# Allegro board trx_layout.brd (continued)
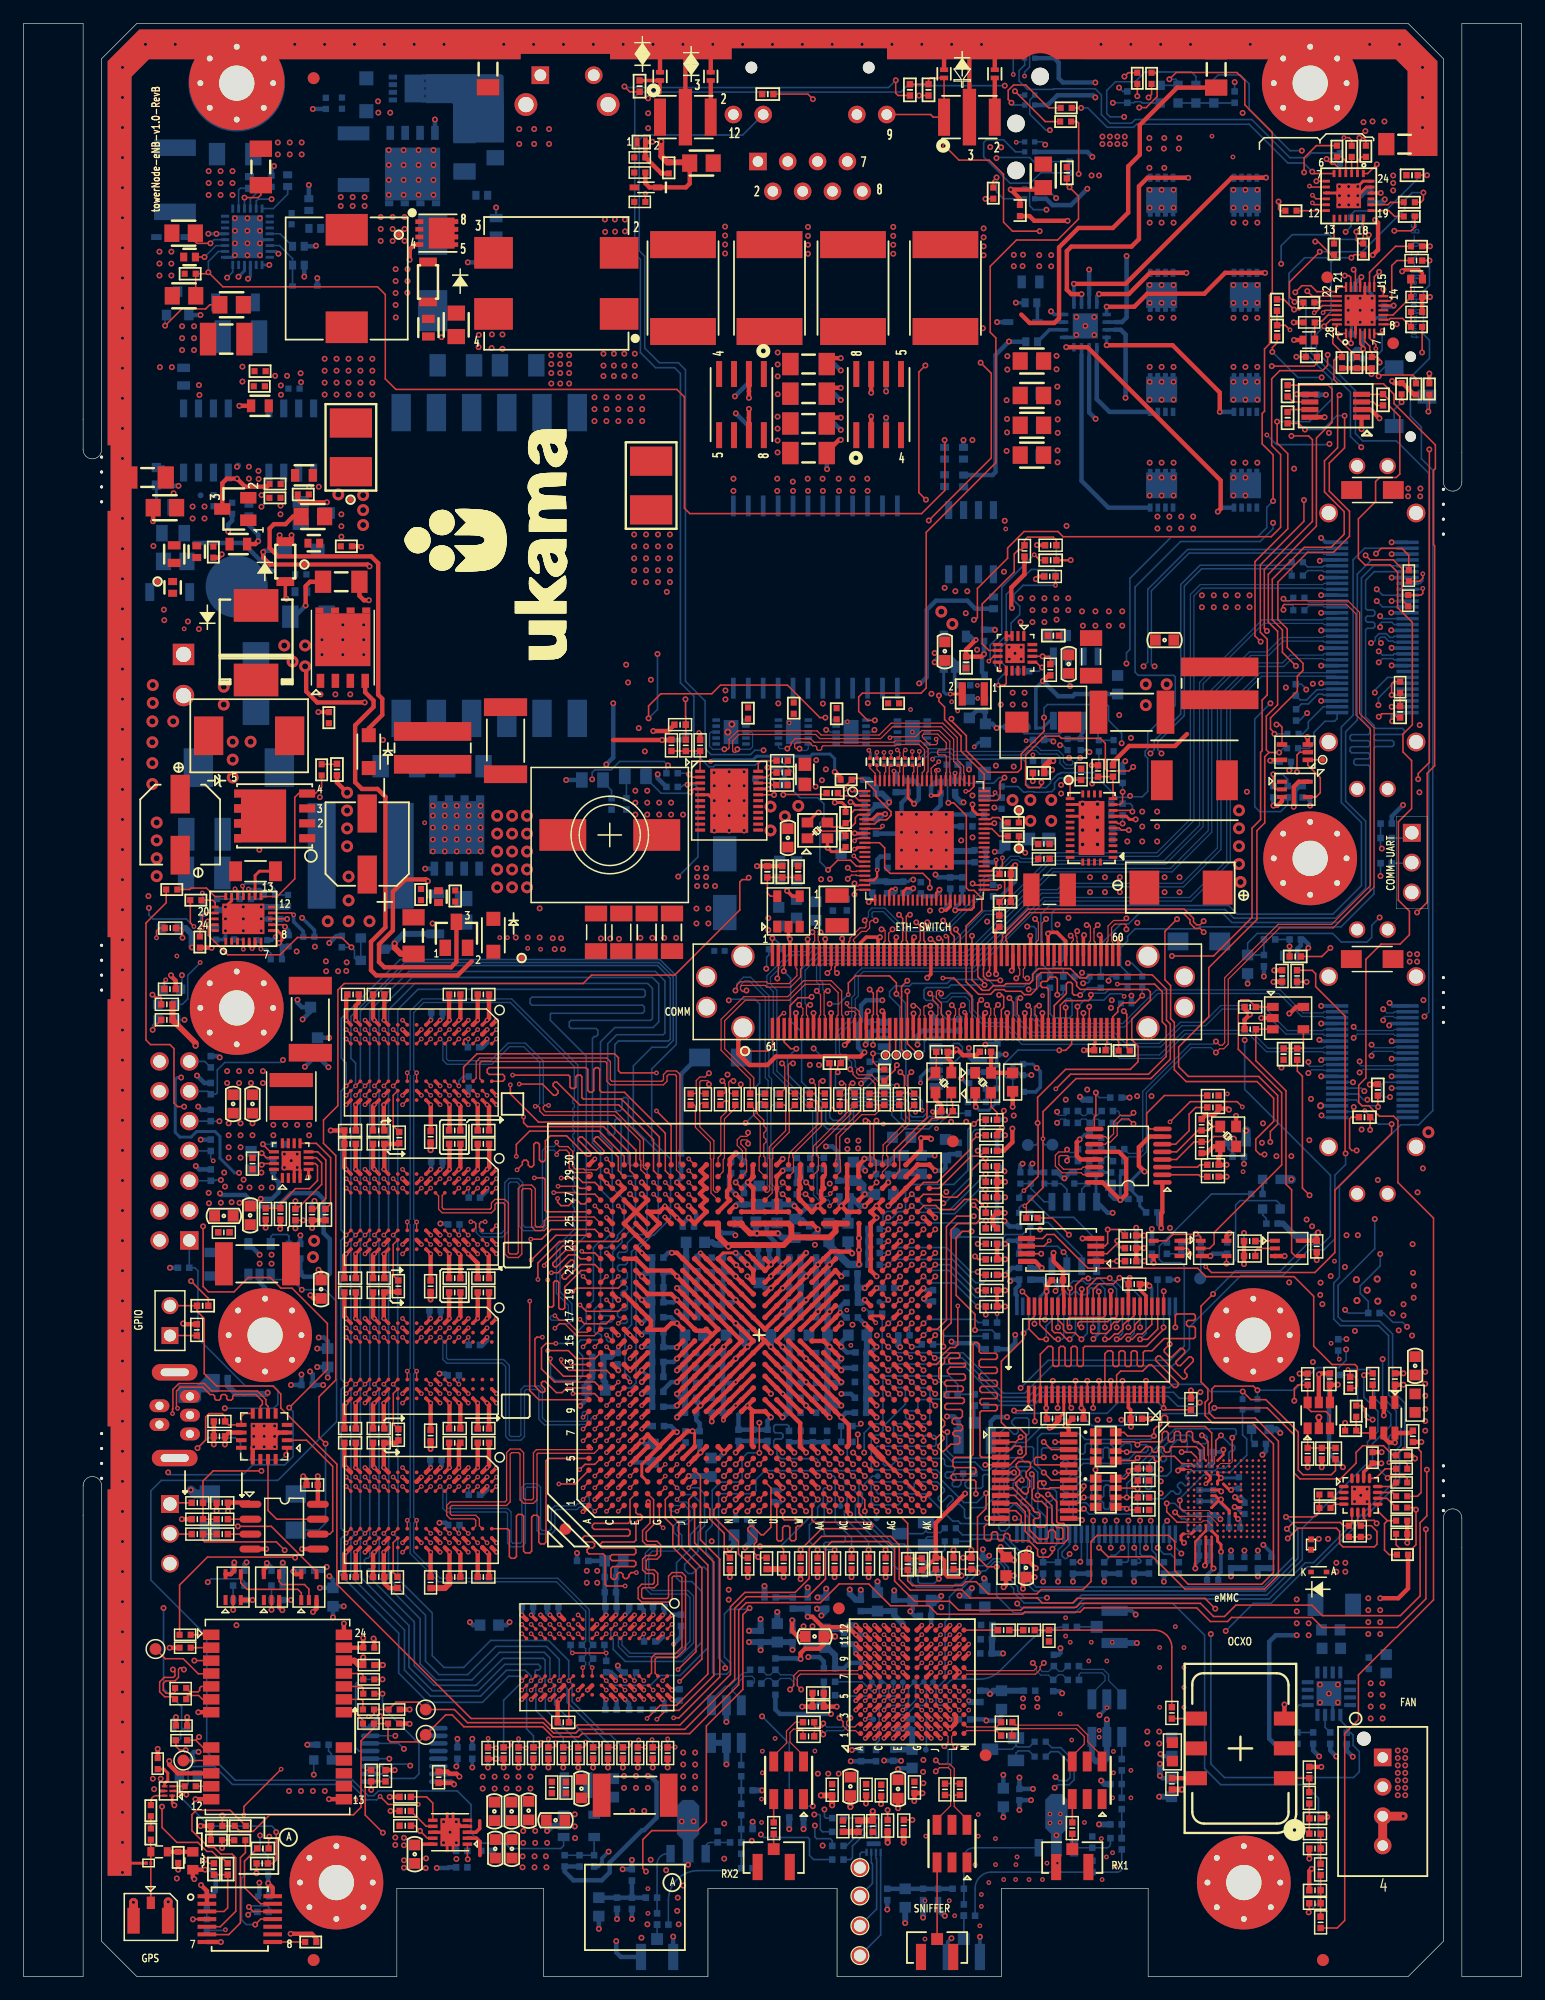
[diagram p0: board, top side]
## Footprints (pads in the part's own frame, mm; a bottom-side part is the same pattern mirrored in y, then rotated) (continued)
IC_ADP1755ACPZ-R7
  rect 1.016x0.356 smd: 1(-1.803,0.965) 2(-1.803,0.315) 3(-1.803,-0.335) 4(-1.803,-0.985) 9(1.803,-0.985) 10(1.803,-0.335) 11(1.803,0.315) 12(1.803,0.965)
  rect 0.356x1.016 smd: 5(-0.975,-1.813) 6(-0.325,-1.813) 7(0.325,-1.813) 8(0.975,-1.813) 13(0.975,1.793) 14(0.325,1.793) 15(-0.325,1.793) 16(-0.975,1.793)
  rect 2.108x2.108 smd: 17(0,0)
IC_JS28F512M29EWH
  rect 1.5x0.3 smd: 1(-9.7,6.75) 2(-9.7,6.25) 3(-9.7,5.75) 4(-9.7,5.25) 5(-9.7,4.75) 6(-9.7,4.25) 7(-9.7,3.75) 8(-9.7,3.25) 9(-9.7,2.75) 10(-9.7,2.25) 11(-9.7,1.75) 12(-9.7,1.25) 13(-9.7,0.75) 14(-9.7,0.25) 15(-9.7,-0.25) 16(-9.7,-0.75) 17(-9.7,-1.25) 18(-9.7,-1.75) 19(-9.7,-2.25) 20(-9.7,-2.75) 21(-9.7,-3.25) 22(-9.7,-3.75) 23(-9.7,-4.25) 24(-9.7,-4.75) 25(-9.7,-5.25) 26(-9.7,-5.75) 27(-9.7,-6.25) 28(-9.7,-6.75) 29(9.7,-6.75) 30(9.7,-6.25) 31(9.7,-5.75) 32(9.7,-5.25) 33(9.7,-4.75) 34(9.7,-4.25) 35(9.7,-3.75) 36(9.7,-3.25) 37(9.7,-2.75) 38(9.7,-2.25) 39(9.7,-1.75) 40(9.7,-1.25) 41(9.7,-0.75) 42(9.7,-0.25) 43(9.7,0.25) 44(9.7,0.75) 45(9.7,1.25) 46(9.7,1.75) 47(9.7,2.25) 48(9.7,2.75) 49(9.7,3.25) 50(9.7,3.75) 51(9.7,4.25) 52(9.7,4.75) 53(9.7,5.25) 54(9.7,5.75) 55(9.7,6.25) 56(9.7,6.75)
IC_TPS51200
  rect 0.813x0.305 smd: 1(-1.473,1.016) 2(-1.473,0.508) 3(-1.473,0) 4(-1.473,-0.508) 5(-1.473,-1.016) 6(1.473,-1.016) 7(1.473,-0.508) 8(1.473,0) 9(1.473,0.508) 10(1.473,1.016)
  custom 1.65x3.4 smd: EP1(0,0)
IND270X220X120
  rect 0.625x2 smd: 1(-0.937,0) 2(0.937,0)
IND-2520
  rect 0.8x2.2 smd: 1(-1,0) 2(1,0)
IND_5P55_7P4X6P8_5P00
  rect 1.85x3.4 smd: 1(-2.775,0) 2(2.775,0)
IND_6P65_10P5X11P8_10P0
  rect 2.38x9 smd: 1(-3.325,0) 2(3.325,0)
IND_B82464G4472M000
  rect 2.7x3.6 smd: 1(-4.15,0) 2(4.15,0)
IND_DO1608C-104MLB
  rect 1.4x3.56 smd: 1(-2.73,0) 2(2.73,0)
IND_VLCF4020
  rect 1.2x3.7 smd: 1(-1.4,0) 2(1.4,0)
INDC0402
  rect 0.533x0.533 smd: 1(-0.475,0) 2(0.475,0)
INDC1608X95M
  rect 1.143x1.092 smd: 1(-0.864,0) 2(0.864,0)
INDP290X270X170
  rect 1.25x2 smd: 1(-1.275,0) 2(1.275,0)
L-1260X1260X600-2N
  rect 2.7x4 smd: 1(0,4) 2(0,-4)
LED-0603-12
  rect 0.8x0.8 smd: 1(0,0.75) 2(0,-0.75)
LED_5977717507F
  rect 0.45x0.45 smd: 1(-5.56,-0.425) 2(-6.41,-0.425) 3(-6.41,0.425) 4(-5.56,0.425) 5(-1.57,-0.425) 6(-2.42,-0.425) 7(-2.42,0.425) 8(-1.57,0.425) 9(2.42,-0.425) 10(1.57,-0.425) 11(1.57,0.425) 12(2.42,0.425) 13(6.41,-0.425) 14(5.56,-0.425) 15(5.56,0.425) 16(6.41,0.425)
LED_LTST-C190
  rect 0.787x0.787 smd: A(-0.75,0) K(0.75,0)
LM73606
  rect 0.75x0.25 smd: 1(-1.825,2.5) 2(-1.825,2) 3(-1.825,1.5) 4(-1.825,1) 5(-1.825,0.5) 6(-1.825,0) 7(-1.825,-0.5) 8(-1.825,-1) 9(-1.825,-1.5) 10(-1.825,-2) 11(-1.825,-2.5) 16(1.825,-2.5) 17(1.825,-2) 18(1.825,-1.5) 19(1.825,-1) 20(1.825,-0.5) 21(1.825,0) 22(1.825,0.5) 23(1.825,1) 24(1.825,1.5) 25(1.825,2) 26(1.825,2.5)
  rect 0.25x0.6 smd: 12(-0.75,-2.9) 13(-0.25,-2.9) 14(0.25,-2.9) 15(0.75,-2.9) 27(0.75,2.9) 28(0.25,2.9) 29(-0.25,2.9) 30(-0.75,2.9)
  rect 2.2x4.6 smd: 31(0,0)
MOLEX_2078430004
  round 1.2 hole 1.2 unplated: (5.35,1.6)
  rect 1.501x1.501 hole 0.899: 1(3.75,0)
  round 1.501 hole 0.899: 2(1.25,0) 3(-1.25,0) 4(-3.75,0)
MOLEX_5000751517
  oval 1.1x1.7 hole 0.7: 1(0,0) 2(0.8,2.6) 3(1.6,0) 4(2.4,2.6) 5(3.2,0)
  oval 1.4x3.9 hole 0.65x2.4: SH1(-2.05,1.3) SH2(5.25,1.3)
MOSFET_TPN3300ANH
  rect 0.7x0.4 smd: 1(-1.575,0.975) 2(-1.575,0.325) 3(-1.575,-0.325) 4(-1.575,-0.975)
  custom 2.5x2.65 smd: 5(0.475,0)
  rect 0.3x0.4 smd: 6(1.575,-0.325) 7(1.575,0.325) 8(1.575,0.975)
MSOP-8
  rect 0.45x1.45 smd: 1(-0.975,-2.2) 2(-0.325,-2.2) 3(0.325,-2.2) 4(0.975,-2.2) 5(0.975,2.2) 6(0.325,2.2) 7(-0.325,2.2) 8(-0.975,2.2)
NEO-1P1X640X480X24N
  rect 0.899x1.4 smd: 1(-7,-5.649) 2(-5.9,-5.649) 3(-4.801,-5.649) 4(-3.701,-5.649) 5(-2.601,-5.649) 6(-1.501,-5.649) 7(-0.401,-5.649) 8(2.601,-5.649) 9(3.701,-5.649) 10(4.801,-5.649) 11(5.9,-5.649) 12(7,-5.649) 13(7,5.649) 14(5.9,5.649) 15(4.801,5.649) 16(3.701,5.649) 17(2.601,5.649) 18(-0.401,5.649) 19(-1.501,5.649) 20(-2.601,5.649) 21(-3.701,5.649) 22(-4.801,5.649) 23(-5.9,5.649) 24(-7,5.649)
OSC-250X200X55
  rect 1x0.85 smd: 1(-0.85,-0.675) 2(0.85,-0.675) 3(0.85,0.675) 4(-0.85,0.675)
QFN40P400X400X60-29N
  round 1 smd: (-2.809,-2.809) (2.809,2.809)
  rect 0.85x0.2 smd: 1(-1.975,1.2) 2(-1.975,0.8) 3(-1.975,0.4) 4(-1.975,0) 5(-1.975,-0.4) 6(-1.975,-0.8) 7(-1.975,-1.2) 15(1.975,-1.2) 16(1.975,-0.8) 17(1.975,-0.4) 18(1.975,0) 19(1.975,0.4) 20(1.975,0.8) 21(1.975,1.2)
  rect 0.2x0.85 smd: 8(-1.2,-1.975) 9(-0.8,-1.975) 10(-0.4,-1.975) 11(0,-1.975) 12(0.4,-1.975) 13(0.8,-1.975) 14(1.2,-1.975) 22(1.2,1.975) 23(0.8,1.975) 24(0.4,1.975) 25(0,1.975) 26(-0.4,1.975) 27(-0.8,1.975) 28(-1.2,1.975)
  rect 2.65x2.65 smd: 29(0,0)
QFN40P1000X1000X85-88N
  rect 0.95x0.2 smd: 1(-5.08,4.2) 2(-5.08,3.8) 3(-5.08,3.4) 4(-5.08,3) 5(-5.08,2.6) 6(-5.08,2.2) 7(-5.08,1.8) 8(-5.08,1.4) 9(-5.08,1) 10(-5.08,0.6) 11(-5.08,0.2) 12(-5.08,-0.2) 13(-5.08,-0.6) 14(-5.08,-1) 15(-5.08,-1.4) 16(-5.08,-1.8) 17(-5.08,-2.2) 18(-5.08,-2.6) 19(-5.08,-3) 20(-5.08,-3.4) 21(-5.08,-3.8) 22(-5.08,-4.2) 45(5.08,-4.2) 46(5.08,-3.8) 47(5.08,-3.4) 48(5.08,-3) 49(5.08,-2.6) 50(5.08,-2.2) 51(5.08,-1.8) 52(5.08,-1.4) 53(5.08,-1) 54(5.08,-0.6) 55(5.08,-0.2) 56(5.08,0.2) 57(5.08,0.6) 58(5.08,1) 59(5.08,1.4) 60(5.08,1.8) 61(5.08,2.2) 62(5.08,2.6) 63(5.08,3) 64(5.08,3.4) 65(5.08,3.8) 66(5.08,4.2)
  rect 0.2x0.95 smd: 23(-4.2,-5.08) 24(-3.8,-5.08) 25(-3.4,-5.08) 26(-3,-5.08) 27(-2.6,-5.08) 28(-2.2,-5.08) 29(-1.8,-5.08) 30(-1.4,-5.08) 31(-1,-5.08) 32(-0.6,-5.08) 33(-0.2,-5.08) 34(0.2,-5.08) 35(0.6,-5.08) 36(1,-5.08) 37(1.4,-5.08) 38(1.8,-5.08) 39(2.2,-5.08) 40(2.6,-5.08) 41(3,-5.08) 42(3.4,-5.08) 43(3.8,-5.08) 44(4.2,-5.08) 67(4.2,5.08) 68(3.8,5.08) 69(3.4,5.08) 70(3,5.08) 71(2.6,5.08) 72(2.2,5.08) 73(1.8,5.08) 74(1.4,5.08) 75(1,5.08) 76(0.6,5.08) 77(0.2,5.08) 78(-0.2,5.08) 79(-0.6,5.08) 80(-1,5.08) 81(-1.4,5.08) 82(-1.8,5.08) 83(-2.2,5.08) 84(-2.6,5.08) 85(-3,5.08) 86(-3.4,5.08) 87(-3.8,5.08) 88(-4.2,5.08)
  rect 5x5 smd: 89(0,0)
QFN50P300X300X100-17N
  oval 0.85x0.3 smd: 1(-1.45,0.75) 2(-1.45,0.25) 3(-1.45,-0.25) 4(-1.45,-0.75) 9(1.45,-0.75) 10(1.45,-0.25) 11(1.45,0.25) 12(1.45,0.75)
  oval 0.3x0.85 smd: 5(-0.75,-1.45) 6(-0.25,-1.45) 7(0.25,-1.45) 8(0.75,-1.45) 13(0.75,1.45) 14(0.25,1.45) 15(-0.25,1.45) 16(-0.75,1.45)
  rect 1.65x1.65 smd: 17(0,0)
QFN50P400X500X80-29N_REL
  rect 0.7x0.25 smd: 1(-1.9,1.75) 2(-1.9,1.25) 3(-1.9,0.75) 4(-1.9,0.25) 5(-1.9,-0.25) 6(-1.9,-0.75) 7(-1.9,-1.25) 8(-1.9,-1.75) 15(1.9,-1.75) 16(1.9,-1.25) 17(1.9,-0.75) 18(1.9,-0.25) 19(1.9,0.25) 20(1.9,0.75) 21(1.9,1.25) 22(1.9,1.75)
  rect 0.25x0.7 smd: 9(-1.25,-2.4) 10(-0.75,-2.4) 11(-0.25,-2.4) 12(0.25,-2.4) 13(0.75,-2.4) 14(1.25,-2.4) 23(1.25,2.4) 24(0.75,2.4) 25(0.25,2.4) 26(-0.25,2.4) 27(-0.75,2.4) 28(-1.25,2.4)
  rect 2.65x3.65 smd: 29(0,0)
QFN50P410X410X80-25N
  rect 0.25x0.6 smd: 1(-1.25,-1.9) 2(-0.75,-1.9) 3(-0.25,-1.9) 4(0.25,-1.9) 5(0.75,-1.9) 6(1.25,-1.9) 13(1.25,1.9) 14(0.75,1.9) 15(0.25,1.9) 16(-0.25,1.9) 17(-0.75,1.9) 18(-1.25,1.9)
  rect 0.6x0.25 smd: 7(1.9,-1.25) 8(1.9,-0.75) 9(1.9,-0.25) 10(1.9,0.25) 11(1.9,0.75) 12(1.9,1.25) 19(-1.9,1.25) 20(-1.9,0.75) 21(-1.9,0.25) 22(-1.9,-0.25) 23(-1.9,-0.75) 24(-1.9,-1.25)
  rect 2.1x2.1 smd: 25(0,0)
QFN50P510X410X80-25N
  rect 0.25x0.6 smd: 1(1.5,1.9) 2(1,1.9) 3(0.5,1.9) 4(0,1.9) 5(-0.5,1.9) 6(-1,1.9) 7(-1.5,1.9) 13(-1.5,-1.9) 14(-1,-1.9) 15(-0.5,-1.9) 16(0,-1.9) 17(0.5,-1.9) 18(1,-1.9) 19(1.5,-1.9)
  rect 0.6x0.25 smd: 8(-2.4,1) 9(-2.4,0.5) 10(-2.4,0) 11(-2.4,-0.5) 12(-2.4,-1) 20(2.4,-1) 21(2.4,-0.5) 22(2.4,0) 23(2.4,0.5) 24(2.4,1)
  rect 3.6x2.6 smd: 25(0,0)
QFN65P400X400X80-17N
  rect 0.719x0.3 smd: 1(-1.815,0.975) 2(-1.815,0.325) 3(-1.815,-0.325) 4(-1.815,-0.975) 9(1.815,-0.975) 10(1.815,-0.325) 11(1.815,0.325) 12(1.815,0.975)
  rect 0.3x0.719 smd: 5(-0.975,-1.815) 6(-0.325,-1.815) 7(0.325,-1.815) 8(0.975,-1.815) 13(0.975,1.815) 14(0.325,1.815) 15(-0.325,1.815) 16(-0.975,1.815)
  rect 2.149x2.149 smd: 17(0,0)
QFN-16
  rect 0.35x0.9 smd: 1(-0.975,-1.95) 2(-0.325,-1.95) 3(0.325,-1.95) 4(0.975,-1.95) 9(0.975,1.95) 10(0.325,1.95) 11(-0.325,1.95) 12(-0.975,1.95)
  rect 0.9x0.35 smd: 5(1.95,-0.975) 6(1.95,-0.325) 7(1.95,0.325) 8(1.95,0.975) 13(-1.95,0.975) 14(-1.95,0.325) 15(-1.95,-0.325) 16(-1.95,-0.975)
  rect 2.3x2.3 smd: 17(0,0)
R0402
  rect 0.533x0.533 smd: 1(-0.475,0) 2(0.475,0)
R1206
  rect 1.1x1.699 smd: 1(-1.699,0) 2(1.699,0)
R2512
  rect 1.519x3.681 smd: 1(-2.855,0) 2(2.855,0)
RC0402
  rect 0.61x0.762 smd: 1(-0.5,0) 2(0.5,0)
RC0603
  rect 0.711x1.092 smd: 1(-0.75,0) 2(0.75,0)
RC0805
  rect 1.295x1.499 smd: 1(-1,0) 2(1,0)
RC1206
  rect 1.397x1.905 smd: 1(-1.55,0) 2(1.55,0)
RC2010
  rect 1.2x2.7 smd: 1(-2.2,0) 2(2.2,0)
RCL1225
  rect 1.6x6.6 smd: 1(-1.4,0) 2(1.4,0)
RMO1490A
  rect 1.2x1.8 smd: 1(-2.54,-3.75) 2(0,-3.75) 3(2.54,-3.75) 4(2.54,3.75) 5(0,3.75) 6(-2.54,3.75)
SC70_5P
  rect 0.4x0.9 smd: 1(-0.65,-1.1) 2(0,-1.1) 3(0.65,-1.1) 4(0.65,1.1) 5(-0.65,1.1)
SIP-2P
  rect 1.448x1.448 hole 1.016: 1(0,0)
  round 1.448 hole 1.016: 2(2.54,0)
SIP-3P
  rect 1.524x1.524 hole 1.143: 1(-2.54,0)
  round 1.524 hole 1.143: 2(0,0) 3(2.54,0)
SM_2_IND_BLM18P_40H
  rect 0.813x0.965 smd: 1(-0.762,0) 2(0.762,0)
SM_3_CON_I-PEX_20279_50H
  rect 0.7x1.067 smd: 1(0,-1.652)
  rect 1.067x2.21 smd: 2(-1.475,-0.127) 3(1.475,-0.127)
SMC0402A
  rect 0.508x0.508 smd: 1(0,0) 2(0,-0.889)
SMC1206
  rect 1.524x1.778 smd: 1(0,0) 2(0,-3.556)
SMD20-A
  round 0.508 smd: 1(0,0)
SMR0402A
  rect 0.508x0.508 smd: 1(0,0) 2(0,-0.889)
SN74AVC1T45DRLR
  rect 0.3x0.46 smd: 1(-0.5,-0.681) 2(0,-0.681) 3(0.5,-0.681) 4(0.5,0.681) 5(0,0.681) 6(-0.5,0.681)
SO8
  oval 0.61x1.88 smd: 1(-1.905,-2.87) 2(-0.635,-2.87) 3(0.635,-2.87) 4(1.905,-2.87) 5(1.905,2.87) 6(0.635,2.87) 7(-0.635,2.87) 8(-1.905,2.87)
SOD123
  rect 1.524x0.762 smd: 1(0,1.7) 2(0,-1.7)
SOD123F_2P8_1P95X2P95_1P1
  rect 1.2x1.2 smd: 1(-1.4,0) 2(1.4,0)
SOD323_2P11_1P8X1P4
  rect 0.59x0.45 smd: 1(-1.055,0) 2(1.055,0)
SOD523F_2P_1_30X0_90_0_70MM
  rect 0.813x0.508 smd: A(1,0) K(-1,0)
SOD882_2P_0_62X1_02_0_50MM
  rect 0.4x0.8 smd: 1(-0.35,0) 2(0.35,0)
SOD2513X110N_A
  rect 0.899x0.5 smd: 1(-1.25,0) 2(1.25,0)
SOD2513X120N_A
  rect 0.899x0.5 smd: 1(-1.25,0) 2(1.25,0)
SODFL1608X70N_B
  rect 0.48x0.399 smd: 1(-0.66,0) 2(0.66,0)
SOIC127P600X175-8N_ON-SEMI
  rect 1.519x0.599 smd: 1(-2.741,1.905) 2(-2.741,0.635) 3(-2.741,-0.635) 4(-2.741,-1.905) 5(2.741,-1.905) 6(2.741,-0.635) 7(2.741,0.635) 8(2.741,1.905)
SOIC_1P27_5P2X4P2_3P65
  rect 1.52x0.61 smd: 1(-2.735,1.905) 2(-2.735,0.635) 3(-2.735,-0.635) 4(-2.735,-1.905) 5(2.735,-1.905) 6(2.735,-0.635) 7(2.735,0.635) 8(2.735,1.905)
SON40P135X170X55-9N
  rect 0.61x0.203 smd: 1(-0.724,0.6) 2(-0.724,0.2) 3(-0.724,-0.2) 4(-0.724,-0.6) 5(0.724,-0.6) 6(0.724,-0.2) 7(0.724,0.2) 8(0.724,0.6)
  rect 0.406x1.194 smd: 9(0,0)
SON50P260X260X65-11N
  rect 0.65x0.3 smd: 1(-1.27,1.016) 2(-1.27,0.508) 3(-1.27,0) 4(-1.27,-0.508) 5(-1.27,-1.016) 6(1.27,-1.016) 7(1.27,-0.508) 8(1.27,0) 9(1.27,0.508) 10(1.27,1.016)
  rect 1.26x2.05 smd: 11(0,0)
SON50P500X600X150-23N
  rect 0.85x0.28 smd: 1(-2.475,2.5) 2(-2.475,2) 3(-2.475,1.5) 4(-2.475,1) 5(-2.475,0.5) 6(-2.475,0) 7(-2.475,-0.5) 8(-2.475,-1) 9(-2.475,-1.5) 10(-2.475,-2) 11(-2.475,-2.5) 12(2.475,-2.5) 13(2.475,-2) 14(2.475,-1.5) 15(2.475,-1) 16(2.475,-0.5) 17(2.475,0) 18(2.475,0.5) 19(2.475,1) 20(2.475,1.5) 21(2.475,2) 22(2.475,2.5)
  rect 3.24x5.48 smd: 23(0,0)
SON127P590X515X110-9N
  rect 1.2x0.65 smd: 1(-2.825,1.905) 2(-2.825,0.635) 3(-2.825,-0.635) 4(-2.825,-1.905)
  rect 0.5x0.7 smd: 5(3.175,-2) 6(3.175,-0.667) 7(3.175,0.666) 8(3.175,2)
  rect 4.5x4.7 smd: 9(0.675,0)
SON127P600X500X163-8N
  rect 2.21x0.508 smd: 1(-2.603,1.905) 2(-2.603,0.635) 3(-2.603,-0.635) 4(-2.603,-1.905) 5(2.603,-1.905) 6(2.603,-0.635) 7(2.603,0.635) 8(2.603,1.905)
SOT23
  rect 0.991x1.397 smd: 1(-0.953,-1.105) 2(0.953,-1.105) 3(0,1.105)
SOT23_95P300X100X110
  rect 0.8x0.9 smd: 1(-0.95,-1) 2(0.95,-1) 3(0,1)
SOT92P240X110-3N
  rect 0.8x0.899 smd: 1(-0.95,-1) 2(0.95,-1) 3(0,1)
SOT-23-5
  rect 0.7x1 smd: 1(-0.95,-1.3) 2(0,-1.3) 3(0.95,-1.3) 4(0.95,1.3) 5(-0.95,1.3)
SOT-23-6
  rect 1.1x0.6 smd: 1(-1.3,0.95) 2(-1.3,0) 3(-1.3,-0.95) 4(1.3,-0.95) 5(1.3,0) 6(1.3,0.95)
SOT-353
  rect 0.35x0.85 smd: 1(-0.65,-1.1) 2(0,-1.1) 3(0.65,-1.1) 4(0.65,1.1) 5(-0.65,1.1)
SOTFL150P409X160-4N
  rect 0.711x1.499 smd: 1(-1.499,-1.92) 3(1.499,-1.92)
  rect 0.508x0.508 smd: 2(0,-1.92)
SW-TLS3305
  rect 1.727x1.473 smd: 1(3.664,-1.537) 2(-3.664,-1.537) 3(3.664,1.537) 4(-3.664,1.537)
SW_CL_SB_12A_01
  round 0.9 hole 0.9 unplated: (-3.4,0) (3.4,0)
  rect 1.2x1.6 smd: 1(-2.5,-1.4) 2(0,1.4) 3(2.5,-1.4)
SW_TL1105JAF160Q
  rect 1.508x1.508 hole 1: 1(-2.275,0)
  round 1.508 hole 1: 2(2.275,0)
  round 1.95 hole 1.3: 3(-3.5,2.5) 4(3.5,2.5)
TCM1-63AX
  rect 0.76x1.7 smd: 1(-1.27,1.6) 2(0,1.6) 3(1.27,1.6) 4(1.27,-1.6) 5(0,-1.6) 6(-1.27,-1.6)
TP-40D
  round 1.524 hole 1.016: 1(0,0)
TP_40C
  round 1.016 smd: 1(0,0)
TQFN-16
  rect 0.85x0.28 smd: 1(-1.475,0.75) 2(-1.475,0.25) 3(-1.475,-0.25) 4(-1.475,-0.75) 9(1.475,-0.75) 10(1.475,-0.25) 11(1.475,0.25) 12(1.475,0.75)
  rect 0.28x0.85 smd: 5(-0.75,-1.475) 6(-0.25,-1.475) 7(0.25,-1.475) 8(0.75,-1.475) 13(0.75,1.475) 14(0.25,1.475) 15(-0.25,1.475) 16(-0.75,1.475)
  rect 1.65x1.65 smd: 17(0,0)
TRANS_BSC030P03NS3GAUMA1
  rect 1.2x0.65 smd: 1(-2.825,1.905) 2(-2.825,0.635) 3(-2.825,-0.635) 4(-2.825,-1.905)
  rect 0.5x0.7 smd: 5(3.175,-1.995) 6(3.175,-0.665) 7(3.175,0.665) 8(3.175,1.995)
  rect 4.5x4.7 smd: 9(0.675,0)
TRANS_FDMC86102L
  rect 1.7x2.37 smd: (0.45,0)
  rect 0.7x0.42 smd: 1(-1.4,0.975) 2(-1.4,0.325) 3(-1.4,-0.325) 4(-1.4,-0.975) 5(1.4,-0.975) 6(1.4,-0.325) 7(1.4,0.325) 8(1.4,0.975)
TSOT-26-6
  rect 1x0.7 smd: 1(-1.1,0.95) 2(-1.1,0) 3(-1.1,-0.95) 4(1.1,-0.95) 5(1.1,0) 6(1.1,0.95)
TSSOP8
  rect 1.45x0.45 smd: 1(-2.95,0.975) 2(-2.95,0.325) 3(-2.95,-0.325) 4(-2.95,-0.975) 5(2.95,-0.975) 6(2.95,-0.325) 7(2.95,0.325) 8(2.95,0.975)
TSSOP16
  oval 0.4x1.6 smd: 1(-2.275,-2.9) 2(-1.625,-2.9) 3(-0.975,-2.9) 4(-0.325,-2.9) 5(0.325,-2.9) 6(0.975,-2.9) 7(1.625,-2.9) 8(2.275,-2.9) 9(2.275,2.9) 10(1.625,2.9) 11(0.975,2.9) 12(0.325,2.9) 13(-0.325,2.9) 14(-0.975,2.9) 15(-1.625,2.9) 16(-2.275,2.9)
TSSOP48
  rect 0.3x1.5 smd: 1(-5.75,-3.75) 2(-5.25,-3.75) 3(-4.75,-3.75) 4(-4.25,-3.75) 5(-3.75,-3.75) 6(-3.25,-3.75) 7(-2.75,-3.75) 8(-2.25,-3.75) 9(-1.75,-3.75) 10(-1.25,-3.75) 11(-0.75,-3.75) 12(-0.25,-3.75) 13(0.25,-3.75) 14(0.75,-3.75) 15(1.25,-3.75) 16(1.75,-3.75) 17(2.25,-3.75) 18(2.75,-3.75) 19(3.25,-3.75) 20(3.75,-3.75) 21(4.25,-3.75) 22(4.75,-3.75) 23(5.25,-3.75) 24(5.75,-3.75) 25(5.75,3.75) 26(5.25,3.75) 27(4.75,3.75) 28(4.25,3.75) 29(3.75,3.75) 30(3.25,3.75) 31(2.75,3.75) 32(2.25,3.75) 33(1.75,3.75) 34(1.25,3.75) 35(0.75,3.75) 36(0.25,3.75) 37(-0.25,3.75) 38(-0.75,3.75) 39(-1.25,3.75) 40(-1.75,3.75) 41(-2.25,3.75) 42(-2.75,3.75) 43(-3.25,3.75) 44(-3.75,3.75) 45(-4.25,3.75) 46(-4.75,3.75) 47(-5.25,3.75) 48(-5.75,3.75)
TSSOP65PX640X120X14N
  rect 1.6x0.35 smd: 1(-2.8,1.95) 2(-2.8,1.3) 3(-2.8,0.65) 4(-2.8,0) 5(-2.8,-0.65) 6(-2.8,-1.3) 7(-2.8,-1.95) 8(2.8,-1.95) 9(2.8,-1.3) 10(2.8,-0.65) 11(2.8,0) 12(2.8,0.65) 13(2.8,1.3) 14(2.8,1.95)
TSSOP-24
  rect 1.5x0.45 smd: 1(-2.9,3.575) 2(-2.9,2.925) 3(-2.9,2.275) 4(-2.9,1.625) 5(-2.9,0.975) 6(-2.9,0.325) 7(-2.9,-0.325) 8(-2.9,-0.975) 9(-2.9,-1.625) 10(-2.9,-2.275) 11(-2.9,-2.925) 12(-2.9,-3.575) 13(2.9,-3.575) 14(2.9,-2.925) 15(2.9,-2.275) 16(2.9,-1.625) 17(2.9,-0.975) 18(2.9,-0.325) 19(2.9,0.325) 20(2.9,0.975) 21(2.9,1.625) 22(2.9,2.275) 23(2.9,2.925) 24(2.9,3.575)
TSSOP_8P_3_10X3_10_1_10MM
  rect 1.15x0.6 smd: 1(-2.175,1.05) 4(-2.175,-1.05) 5(2.175,-1.05) 8(2.175,1.05)
  rect 1.15x0.45 smd: 2(-2.175,0.325) 3(-2.175,-0.325) 6(2.175,-0.325) 7(2.175,0.325)
unnamed
  round 0.254 hole 1.092 unplated: (-1.905,0) (1.905,0)
  round 0.254 hole 0.508 unplated: (-0.635,0) (0.635,0)
unnamed#3
  round 1.016 smd: 1(0,0)
unnamed#2
  round 5.301 smd: 1(0,0)
unnamed#4
  round 1.499 hole 1.499 unplated: (0,0) (4,0) (8,2.06)
VSON127P610X510X105-8N
  rect 1.372x0.71 smd: 1(-2.77,1.905) 2(-2.77,0.635) 3(-2.77,-0.635) 4(-2.77,-1.905)
  custom 4.44x4.52 smd: 5(1.236,0)
  rect 0.59x0.71 smd: 6(3.162,-0.635) 7(3.162,0.635) 8(3.162,1.905)
WFBGA_EMMC153
  round 0.24 smd: A1(-3.25,3.25) A2(-2.75,3.25) A3(-2.25,3.25) A4(-1.75,3.25) A5(-1.25,3.25) A6(-0.75,3.25) A7(-0.25,3.25) A8(0.25,3.25) A9(0.75,3.25) A10(1.25,3.25) A11(1.75,3.25) A12(2.25,3.25) A13(2.75,3.25) A14(3.25,3.25) B1(-3.25,2.75) B2(-2.75,2.75) B3(-2.25,2.75) B4(-1.75,2.75) B5(-1.25,2.75) B6(-0.75,2.75) B7(-0.25,2.75) B8(0.25,2.75) B9(0.75,2.75) B10(1.25,2.75) B11(1.75,2.75) B12(2.25,2.75) B13(2.75,2.75) B14(3.25,2.75) C1(-3.25,2.25) C2(-2.75,2.25) C3(-2.25,2.25) C4(-1.75,2.25) C5(-1.25,2.25) C6(-0.75,2.25) C7(-0.25,2.25) C8(0.25,2.25) C9(0.75,2.25) C10(1.25,2.25) C11(1.75,2.25) C12(2.25,2.25) C13(2.75,2.25) C14(3.25,2.25) D1(-3.25,1.75) D2(-2.75,1.75) D3(-2.25,1.75) D4(-1.75,1.75) D12(2.25,1.75) D13(2.75,1.75) D14(3.25,1.75) E1(-3.25,1.25) E2(-2.75,1.25) E3(-2.25,1.25) E5(-1.25,1.25) E6(-0.75,1.25) E7(-0.25,1.25) E8(0.25,1.25) E9(0.75,1.25) E10(1.25,1.25) E12(2.25,1.25) E13(2.75,1.25) E14(3.25,1.25) F1(-3.25,0.75) F2(-2.75,0.75) F3(-2.25,0.75) F5(-1.25,0.75) F10(1.25,0.75) F12(2.25,0.75) F13(2.75,0.75) F14(3.25,0.75) G1(-3.25,0.25) G2(-2.75,0.25) G3(-2.25,0.25) G5(-1.25,0.25) G10(1.25,0.25) G12(2.25,0.25) G13(2.75,0.25) G14(3.25,0.25) H1(-3.25,-0.25) H2(-2.75,-0.25) H3(-2.25,-0.25) H5(-1.25,-0.25) H10(1.25,-0.25) H12(2.25,-0.25) H13(2.75,-0.25) H14(3.25,-0.25) J1(-3.25,-0.75) J2(-2.75,-0.75) J3(-2.25,-0.75) J5(-1.25,-0.75) J10(1.25,-0.75) J12(2.25,-0.75) J13(2.75,-0.75) J14(3.25,-0.75) K1(-3.25,-1.25) K2(-2.75,-1.25) K3(-2.25,-1.25) K5(-1.25,-1.25) K6(-0.75,-1.25) K7(-0.25,-1.25) K8(0.25,-1.25) K9(0.75,-1.25) K10(1.25,-1.25) K12(2.25,-1.25) K13(2.75,-1.25) K14(3.25,-1.25) L1(-3.25,-1.75) L2(-2.75,-1.75) L3(-2.25,-1.75) L12(2.25,-1.75) L13(2.75,-1.75) L14(3.25,-1.75) M1(-3.25,-2.25) M2(-2.75,-2.25) M3(-2.25,-2.25) M4(-1.75,-2.25) M5(-1.25,-2.25) M6(-0.75,-2.25) M7(-0.25,-2.25) M8(0.25,-2.25) M9(0.75,-2.25) M10(1.25,-2.25) M11(1.75,-2.25) M12(2.25,-2.25) M13(2.75,-2.25) M14(3.25,-2.25) N1(-3.25,-2.75) N2(-2.75,-2.75) N3(-2.25,-2.75) N4(-1.75,-2.75) N5(-1.25,-2.75) N6(-0.75,-2.75) N7(-0.25,-2.75) N8(0.25,-2.75) N9(0.75,-2.75) N10(1.25,-2.75) N11(1.75,-2.75) N12(2.25,-2.75) N13(2.75,-2.75) N14(3.25,-2.75) P1(-3.25,-3.25) P2(-2.75,-3.25) P3(-2.25,-3.25) P4(-1.75,-3.25) P5(-1.25,-3.25) P6(-0.75,-3.25) P7(-0.25,-3.25) P8(0.25,-3.25) P9(0.75,-3.25) P10(1.25,-3.25) P11(1.75,-3.25) P12(2.25,-3.25) P13(2.75,-3.25) P14(3.25,-3.25)
XFMR_3P00_23P0X21P08_11P5
  rect 3.175x1.65 smd: 1(-13.018,7.5) 2(-13.018,4.5) 3(-13.018,1.5) 4(-13.018,-1.5) 5(-13.018,-4.5) 6(-13.018,-7.5) 7(13.018,-7.5) 8(13.018,-4.5) 9(13.018,-1.5) 10(13.018,1.5) 11(13.018,4.5) 12(13.018,7.5)
XFMR_ETH1-460LD
  rect 1.78x0.401 smd: 1(-7.76,6.985) 2(-7.76,5.715) 3(-7.76,4.445) 4(-7.76,3.175) 5(-7.76,1.905) 6(-7.76,0.635) 7(-7.76,-0.635) 8(-7.76,-1.905) 9(-7.76,-3.175) 10(-7.76,-4.445) 11(-7.76,-5.715) 12(-7.76,-6.985) 13(7.76,-6.985) 14(7.76,-5.715) 15(7.76,-4.445) 16(7.76,-3.175) 17(7.76,-1.905) 18(7.76,-0.635) 19(7.76,0.635) 20(7.76,1.905) 21(7.76,3.175) 22(7.76,4.445) 23(7.76,5.715) 24(7.76,6.985)

## Nets
1V3_TX1: C396.1 C409.2 C416.2 C418.1 L29.2 L34.2 L36.2 U3.M9 U3.M10
1V3_TX2: C141.1 C144.2 C145.2 C415.1 L30.2 L35.2 L37.2 U3.A9 U3.A10
1V5: L24.2 R149.2
1V8: C134.1 C359.1 C360.1 C361.1 C362.1 C363.1 C364.1 C373.1 C378.1 C380.1 L12.2 R194.1 R196.1 R198.1 R231.2 R415.1 U1.AB6 U1.AC1 U1.P1 U1.P6 U1.T6 U1.U2 U1.V6 U1.Y3 U1.Y6
1V15: C634.1 C635.1 C637.1 C638.1 C639.1 FB20.2 L50.1 R640.2
1V35: C58.1 C59.1 C60.1 C61.1 C81.1 C82.1 C83.1 C84.1 C85.1 C87.1 C88.1 C89.1 C90.1 C99.1 C100.1 C101.1 C102.1 C105.1 C106.1 C107.1 C108.1 C109.1 C110.1 C117.1 C118.1 C119.1 C120.1 C121.1 C124.1 C125.1 C126.1 C127.1 C135.1 C136.1 C137.1 C138.1 C139.1 C177.1 C178.1 C239.1 C241.1 C251.1 C269.1 C283.1 C291.1 C299.1 C309.1 C316.1 C318.1 C324.1 C331.1 C332.1 C339.1 C346.1 C352.1 C358.1 C365.1 C366.1 C367.1 C371.1 C394.1 C402.1 C403.1 C405.1 C406.1 C408.1 C410.1 C423.2 C428.1 C431.1 C432.1 C433.1 R112.2 R189.1 R407.1 R424.1 R474.1 U1.C4 U1.C6 U1.C9 U1.C13 U1.C16 U1.C19 U1.C22 U1.C25 U1.C27 U1.D3 U1.D28 U1.E6 U1.E8 U1.E10 U1.E12 U1.E14 U1.E16 U1.E17 U1.E19 U1.E21 U1.E23 U1.E25 U1.F3 U1.F5 U1.F7 U1.F9 U1.F11 U1.F13 U1.F15 U1.F18 U1.F20 U1.F22 U1.F24 U1.F26 U1.F28 U1.G6 U1.G25 U1.G26 U1.H5 U1.H26 U1.J3 U1.J6 U1.J25 U1.J28 U1.K5 U1.K26 U1.L6 U11.A1 U11.A8 U11.B2 U11.C1 U11.C9 U11.D2 U11.D9 U11.E9 U11.F1 U11.G7 U11.H2 U11.H9 U11.K2 U11.K8 U11.N1 U11.N9 U11.R1 U11.R9 U15.A1 U15.A8 U15.B2 U15.C1 U15.C9 U15.D2 U15.D9 U15.E9 U15.F1 U15.G7 U15.H2 U15.H9 U15.K2 U15.K8 U15.N1 U15.N9 U15.R1 U15.R9 U23.A1 U23.A8 U23.B2 U23.C1 U23.C9 U23.D2 U23.D9 U23.E9 U23.F1 U23.G7 U23.H2 U23.H9 U23.K2 U23.K8 U23.N1 U23.N9 U23.R1 U23.R9 U30.A1 U30.A8 U30.B2 U30.C1 U30.C9 U30.D2 U30.D9 U30.E9 U30.F1 U30.G7 U30.H2 U30.H9 U30.K2 U30.K8 U30.N1 U30.N9 U30.R1 U30.R9 U35.A1 U35.A8 U35.B2 U35.C1 U35.C9 U35.D2 U35.D9 U35.E9 U35.F1 U35.G7 U35.H2 U35.H9 U35.K2 U35.K8 U35.N1 U35.N9 U35.R1 U35.R9 U42.2
1V35_PG: R340.2 R436.1 U14.14
3V3: C8.1 C9.1 C57.1 C86.1 C93.2 C95.1 C98.1 C103.1 C104.1 C111.1 C113.1 C115.1 C128.1 C130.2 C142.2 C148.2 C153.1 C170.1 C179.1 C181.1 C193.1 C195.1 C196.1 C203.1 C206.1 C210.1 C260.1 C275.1 C277.1 C286.1 C292.1 C294.1 C295.1 C302.1 C304.1 C310.1 C317.1 C320.1 C325.1 C326.1 C333.1 C340.1 C347.1 C353.1 C388.1 C389.1 C390.1 C601.1 C606.2 C607.2 C636.1 C652.2 D6.K D14.1 FB1.2 FB4.2 FB19.2 J5.14 L9.2 L11.2 L20.2 L21.2 L22.2 L25.2 R16.2(B[0]) R18.1 R19.2(B[0]) R43.1 R45.1 R46.1 R64.1 R67.2 R76.1 R101.2 R107.2 R109.2 R110.2 R111.2 R113.2 R125.1 R127.1 R129.1 R131.1 R133.1 R134.1 R139.1 R140.1 R141.2 R142.1 R145.1 R146.2 R147.1 R148.1 R152.1 R153.1 R154.2 R161.2 R165.1 R167.1 R179.1 R181.2 R182.1 R199.1 R204.1 R210.1 R213.1 R230.1 R236.1 R292.1 R303.1 R316.1 R319.1 R325.1 R329.1 R330.2 R335.1 R340.1 R346.1 R348.1 R349.1 R352.1 R367.1 R369.1 R373.1 R381.1 R386.1 R390.2 R392.1 R393.1 R397.1 R425.2 R426.2 R427.2 R428.2 R429.2 R430.2 R431.2 R432.2 R434.2 R620.2 R621.2 R624.2 R625.1 R626.1 R637.2 R647.2 R652.1 R686.2 R687.1 R691.1 R692.1 R693.1 R695.1 R696.1 R700.2 R702.2 R704.2 R706.2 R707.1 R724.1 R725.1 U1.AD25 U1.AE5 U1.AE7 U1.AE9 U1.AE11 U1.AE13 U1.AE15 U1.AE16 U1.AE18 U1.AE20 U1.AG17 U1.AG23 U1.AH8 U1.AH13 U1.AJ3 U1.AK19 U1.AK26 U5.5 U6.5 U10.5 U13.12 U13.16 U16.5 U17.5 U18.5 U19.8 U21.4 U21.12(VDDM) U21.18 U22.7(VCC#7) U22.18 U22.31 U22.42 U24.2(S2) U28.14(V+) U31.1 U32.5 U33.5 U34.5 U37.7 U37.23 U42.10 U44.1 U44.2 U44.5 U57.5 U58.7(VREFB) U59.7(VREFB) U62.8 U63.4 U64.29 U64.43 U68.16(VDD) U69.4 U83.1 U83.4 U87.14(VCC) U242.21(VDD) U245.1 U245.4 U250.8
3V3_PG: R64.2 R293.1 U4.14
5V: C25.1 C26.1 C43.1 C92.1 C114.1 C200.1 C225.1 C226.1 C231.1 C252.1 LED11.1 LED11.5 LED11.9 LED11.13 R65.2 R95.2 R411.2 R437.1 U4.1 U4.2 U4.15 U4.16 U7.12 U7.13 U7.14 U7.15 U7.16 U7.17 U7.19 U14.1 U14.2 U14.16 U27.24
5V_PG: R76.2 TP2.1(PAD) U8.16
12V_ALRT: R653.1 U21.6
AVDD_1V5: C618.1 C619.1 C620.1 C621.1 C622.1 C623.1 C633.1 FB18.1 U243.4 U243.20 U243.26 U243.36 U243.71 U243.81
AVDD_3V3: C624.1 C625.1 C626.1 C627.1 C640.1 C641.1 C642.1 C643.1 C644.1 FB19.1 U243.7 U243.13 U243.29 U243.39 U243.49 U243.59 U243.74 U243.84